# Altium PCB WX0.008.626PCB-4.1(5).PcbDoc (part 3 of 3)
Units mil, origin at the board's own origin, x right, y up, seen from the top; angles counter-clockwise.
Board outline 7874.02 x 2755.91 mil, 4 copper layers (Top Layer, GND, POWER, Bottom Layer), stack 30.634 mil thick; 262 components, 166 nets, 818 pads, 835 vias.
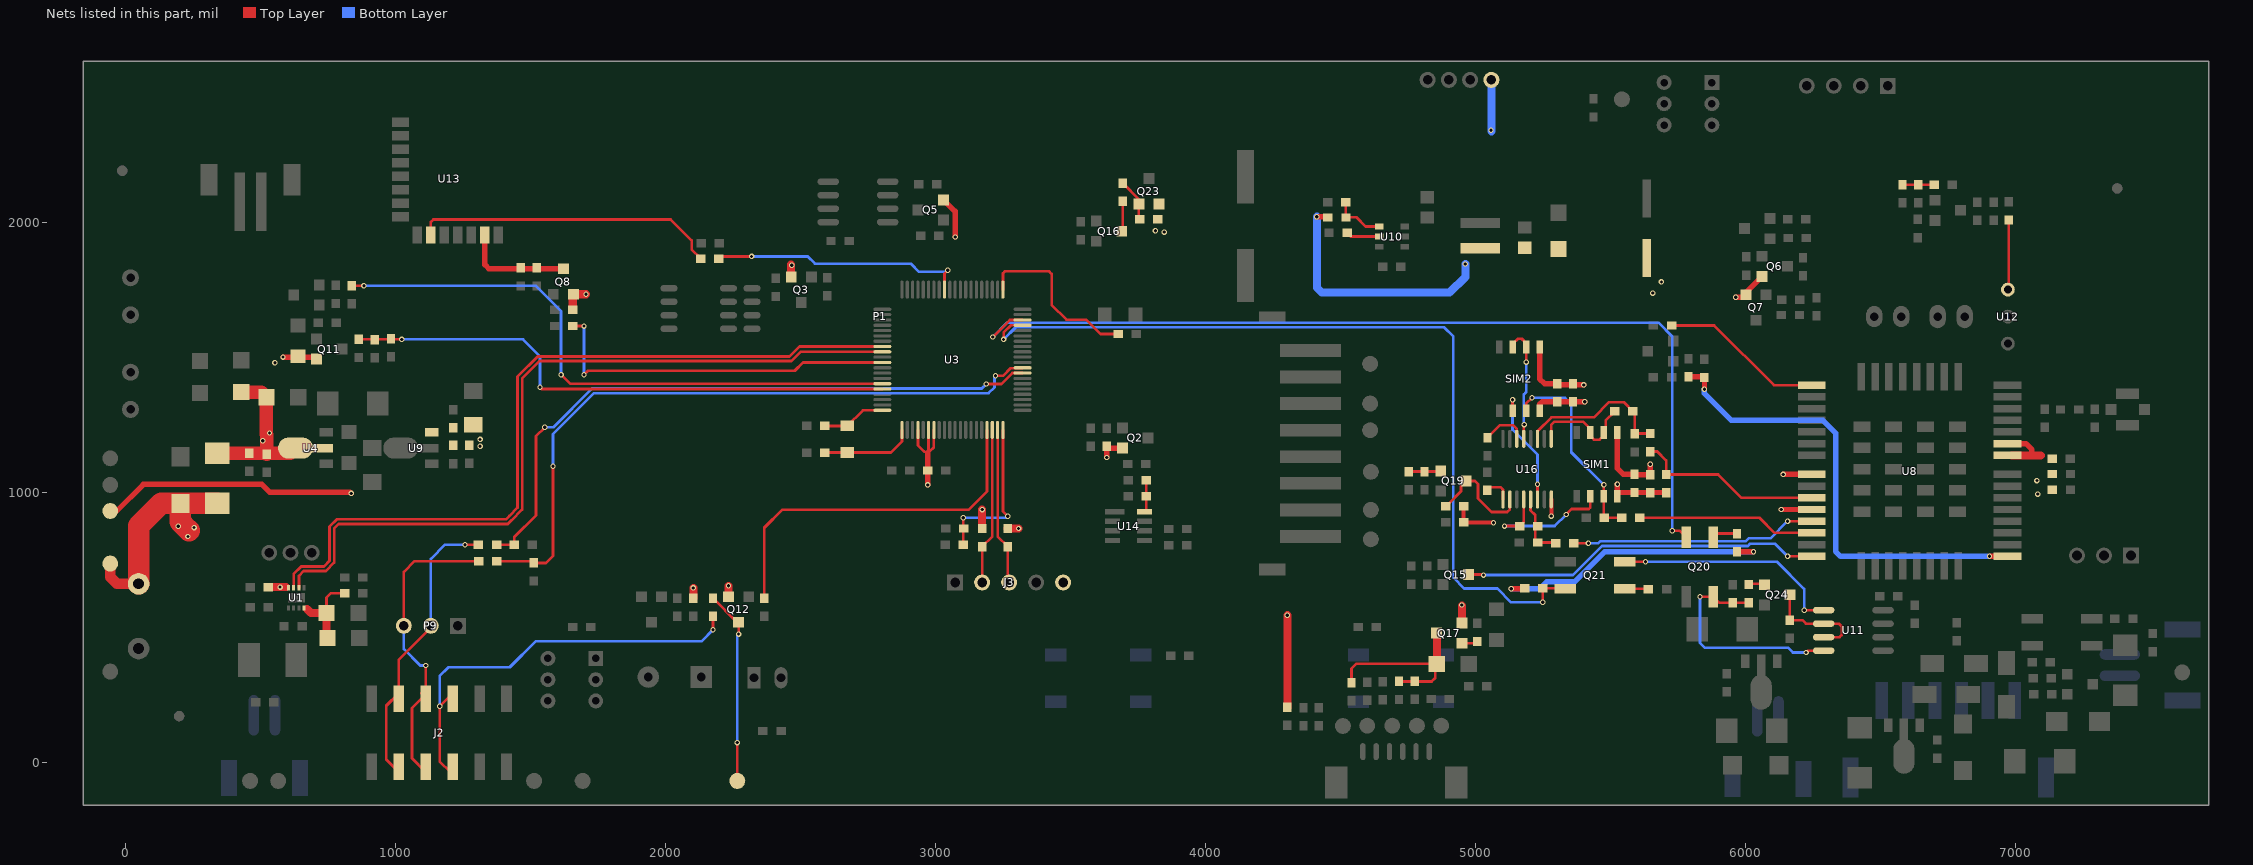
[diagram p5: the nets of this part, all layers, seen from the top]

## Via types
v1: diameter 20, hole 12, Top Layer to Bottom Layer, tented both sides, 835 vias

## Nets (pads, with @x,y where several pads share a name; then routed paths per layer and width w, separated by ;. In a path a pad name is that pad's centre, name@x,y a point inside that pad or via, vN(x,y) a via of type N, cw(c..) or ccw(c..) an arc to the next point about the centre after c; other vN are vias at no path point) (continued)
NetQ16_3: Q16.3 R86.1 | length 112.2
  Top Layer w10: Q16.3@3689.76,1968.92 3693.52,1972.68 R86.1@3693.52,2079.52
NetQ17_1: Q17.1 R44.2 | length 50.4
  Top Layer w10: Q17.1@4950.24,442.6 R44.2@5000.6,442.6
NetQ17_3: Q17.3 R51.2 R53.1 R54.1 R75.1 | length 675.2
  Top Layer w10: R54.1@4541,296 4541,349 4558,366 R51.2@4856.89,366 ; R53.1@4717,301 4837.62,301 4851,314.38 R51.2@4851,360.11 ; Q17.3@4855.76,478.87 Q17.3@4855.76,480
  Top Layer w30: R51.2@4856.89,366 Q17.3@4856.89,478.87
NetQ19_1: Q19.1 R95.2 R96.1 | length 116.4
  Top Layer w10: R95.2@4752.52,1078.52 Q19.1@4868.87,1078.52
NetQ19_3: Q19.3 R93.1 U16.10 | length 401.6
  Top Layer w10: R93.1@4901.52,950.52 4901.52,960.52 4946.52,1005.52 4946.52,1024.27 Q19.3@4965.76,1043.52 4998.52,1043.52 5009.52,1032.52 5009.52,978.52 5059.52,928.52 5117.52,928.52 5127.54,938.54 U16.10@5127.54,975.31
NetQ20_1: Q20.1 R112.2 | length 75
  Top Layer w10: Q20.1@5880.08,849 R112.2@5955.08,849
NetQ20_4: Q20.4 R65.2 R113.2 U11.4 | length 836.5
  Top Layer w10: v1(5832,615) Q20.4@5881,615 5903,593 R65.2@6012,593 ; v1(6225,408) 6232,415 U11.4@6290,415
  Bottom Layer w10: v1(5832,615) 5832,443 5849,426 6158,426 6176,408 v1(6225,408)
NetQ21_1: Q21.1 R77.1 | length 87
  Top Layer w10: Q21.1@5553,644 R77.1@5640,644
NetQ21_2: Q21.2 U11.1 | length 852.4
  Top Layer w10: Q21.2@5553,744 v1(5630,744) ; v1@6223,565 U11.1@6290,565
  Bottom Layer w10: v1(5630,744) 6118,744 6218,644 v1(6218,565)
NetQ23_1: Q23.1 R85.2 R86.2 | length 154.3
  Top Layer w10: R86.2@3693.52,2146.52 3753.12,2086.92 Q23.1@3753.12,2069.28 R85.2@3753.12,2016.92
NetQ24_1: Q24.1 R65.1 | length 54.4
  Top Layer w10: R65.1@6014.4,662.4 Q24.1@6068.76,662.4
NetQ24_3: Q24.3 R63.2 U11.2 U11.3 | length 397
  Top Layer w10: Q24.3@6164,620.76 R63.2@6164,528 6211,528 6224,515 U11.2@6290,515 6346,515 6357,504 6357,473 6349,465 U11.3@6290,465
NetR1_1: R1.1 R32.1 U14.8 | length 119.7
  Top Layer w10: U14.8@3773.91,929.67 3780.76,936.52 R32.1@3780.76,986.52 R1.1@3780.76,1046.52
NetR8_2: R8.2 U16.9 | length 103.1
  Top Layer w10: R8.2@5043.52,1008.52 5055.52,1020.52 5092.52,1020.52 5101.95,1011.09 U16.9@5101.95,975.31
NetR9_1: R9.1 U12.1 | length 255
  Top Layer w10: U12.1@6975.52,1755.52 R9.1@6975.52,2010.52
NetR28_2: R28.2 U3.21 | length 654.9
  Top Layer w10: U3.21@3249.53,1752.36 3249.53,1813.05 3256.96,1820.48 3420.52,1820.48 3430,1811 3430,1695.96 3484.96,1641 3558,1641 3611,1588 R28.2@3677,1588
NetR33_1: R33.1 U3.32 | length 954.8
  Top Layer w10: R33.1@2197.52,1867.52 2205.52,1875.52 v1(2318.52,1875.52) ; U3.32@3032.99,1752.36 3032.99,1811.99 v1(3045.52,1824.52)
  Bottom Layer w10: v1(2318.52,1875.52) 2526.52,1875.52 2553.52,1848.52 2908.01,1848.52 2938.01,1818.52 3039.52,1818.52 v1(3045.52,1824.52)
NetR56_2: R56.2 R57.1 R60.2 | length 118
  Top Layer w10: R56.2@6582,2141 R57.1@6641,2141 R60.2@6700,2141
NetR80_2: R80.2 R81.2 R82.2 U1.4 | length 299.9
  Top Layer w10: R81.2@743.89,554 743.89,611.89 760,628 R82.2@811,628
  Top Layer w30: 670.89,568.98 685.87,554 R81.2@743.89,554 R80.2@743.89,465
NetR91_1: R91.1 U8.1 | length 627.5
  Top Layer w10: R91.1@5726.52,1619.52 5884.56,1619.52 6105.56,1398.52 U8.1@6246.52,1398.52 U8.1@6262.52,1398.52
NetR94_1: R94.1 U16.6 | length 170.5
  Top Layer w10: R94.1@5044.52,1204.52 5090.52,1250.52 5139.52,1250.52 5153.13,1236.9 U16.6@5153.13,1199.72
NetR102_2: R102.2 U10.5 | length 124.3
  Top Layer w10: R102.2@4524.52,1962.52 4537.92,1949.12 U10.5@4643.27,1949.12
NetR114_2: R114.2 R115.2 U10.4 | length 192.8
  Top Layer w10: R115.2@4519.52,2075.52 4519.52,2020.52 4559.52,2020.52 4593.52,1986.52 U10.4@4643.27,1986.52
OPEN: U1.6 U3.49 | length 2908.4
  Top Layer w10: U1.6@641.36,647.92 641.36,692.36 659,710 741.04,710 772,740.96 772,867.96 788.56,884.52 1414.99,884.52 1427.99,897.52 1428.48,897.52 1468.52,937.56 1468.52,1423.44 1533.13,1488.05 2466.21,1488.05 2500.21,1522.05 U3.49@2802.68,1522.05
RESET: Q15.3 U8.15 | length 1337.4
  Top Layer w10: Q15.3@4974.26,697.12 v1@5027.88,697.12 ; v1(6156.34,764.66) U8.15@6246.52,764.66
  Bottom Layer w10: v1(5030,695) 5361,695 5469,803 6009.57,803 6017.57,811 6110,811 v1(6156.34,764.66)
RS485_RXD: Q21.4 R64.1 U3.17 | length 3202
  Top Layer w10: v1(3252,1568) 3252,1592.96 3279.51,1620.47 U3.17@3322.36,1620.47 ; v1(5249,594) R64.1@5249,646 Q21.4@5331,646
  Bottom Layer w10: v1(3252,1568) 3297,1613 4884,1613 4918,1579 4918,685.25 4958.25,645 5081,645 5132,594 v1(5249,594)
RS485_TXD: Q20.2 U3.18 | length 3478
  Top Layer w10: v1(3212,1577) 3275.16,1640.16 U3.18@3322.36,1640.16 ; v1(5729.52,859) 5757,859 Q20.2@5781,835
  Bottom Layer w10: v1(3212,1577) 3212.48,1577 3265.48,1630 5677.52,1630 5729.52,1578 v1(5729.52,859)
RST: C33.2 R49.1 U3.80 | length 594.7
  Top Layer w10: R49.1@3102.52,807.52 v1(3102.52,907.52) ; U3.80@3249.53,1232.68 3249.53,930.51 v1(3267.52,912.52)
  Bottom Layer w10: v1(3102.52,907.52) 3262.52,907.52 v1(3267.52,912.52)
SIM_CLK1: R11.1 SIM1.6 U16.12 | length 550.6
  Top Layer w10: v1(5107.52,876.52) R11.1@5163.52,876.52 5178.52,891.52 5178.52,975.11 U16.12@5178.72,975.31 ; v1@5335.52,919.52 5355.52,939.52 5419.52,939.52 5425.81,945.81 SIM1.6@5425.81,987.34
  Bottom Layer w10: v1(5107.52,876.52) 5293.52,876.52 v1(5336.52,919.52)
SIM_CLK2: SIM2.6 U16.14 | length 448.6
  Top Layer w10: v1(5137.52,1344.52) 5137.52,1303.94 SIM2.6@5137.94,1303.52 ; U16.14@5229.91,975.31 v1(5229.91,1031.13)
  Bottom Layer w10: v1(5137.52,1344.52) 5137.52,1233.48 5229.91,1141.1 v1(5229.91,1031.13)
SIM_DATA1: R10.2 SIM1.2 SIM1.3 U16.1 | length 395.5
  Top Layer w10: U16.1@5281.09,1199.72 5281.09,1252.09 5291.52,1262.52 5399.52,1262.52 5425.81,1236.23 SIM1.3@5425.81,1223.56 ; SIM1.3@5424.02,1212.02 5439.52,1196.52 5459.52,1196.52 5475.81,1212.81 SIM1.2@5475.81,1223.56 5482.52,1230.28 5482.52,1267.52 R10.2@5516.52,1301.52
SIM_DATA2: SIM2.2 SIM2.3 U16.5 | length 433.7
  Top Layer w10: SIM2.3@5137.94,1539.74 5137.94,1550.94 5157.52,1570.52 5171.52,1570.52 5187.94,1554.09 SIM2.2@5187.94,1539.74 v1(5187.94,1484.09) ; U16.5@5178.72,1199.72 5178.72,1250.72 v1(5180.52,1252.52)
  Bottom Layer w10: v1@5179.52,1253.52 5179.52,1363.95 5187.94,1372.37 v1(5187.94,1484.09)
SIM_RST: C58.1 R6.2 SIM1.7 SIM2.7 | length 733.6
  Top Layer w10: SIM2.7@5187.94,1303.52 5187.94,1329.94 v1(5209.52,1351.52) ; C58.1@5475.81,921.72 SIM1.7@5475.81,987.34 v1(5475.81,1029.23) ; C58.1@5477.01,907.52 R6.2@5541.52,907.52
  Bottom Layer w10: v1(5209.52,1351.52) 5332.48,1351.52 5355,1329 5355,1150.04 v1(5475.81,1029.23)
SLEEP: U1.7 U3.48 | length 2940
  Top Layer w10: U1.7@621.68,647.92 621.68,698.69 650,727 734,727 755,748 755,875 781.52,901.52 1407.95,901.52 1420.95,914.52 1421.44,914.52 1451.52,944.6 1451.52,1430.48 1526.09,1505.05 2459.17,1505.05 2495.86,1541.73 U3.48@2802.68,1541.73
STATE_BLE: R33.2 U13.10 | length 1131.2
  Top Layer w10: U13.10@1130.12,1955.59 1130.12,2003.12 1139.52,2012.52 2018.52,2012.52 2096.52,1934.52 2096.52,1901.52 R33.2@2130.52,1867.52
SWCLK: J3.2 R39.2 U3.78 | length 580.7
  Top Layer w10: J3.2@3172.52,667.52 R39.2@3172.52,800.52 3210.16,838.16 U3.78@3210.16,1232.68
SWIO: J3.3 R40.2 U3.79 | length 575.8
  Top Layer w10: U3.79@3229.84,1232.68 3229.84,838.2 R40.2@3267.52,800.52 J3.3@3267.52,672.52
TEST_RXD0: J2.3 J2.4 P9.2 R103.1 | length 1068.3
  Top Layer w10: J2.4@1011.02,-34.57 965,11.46 965,210.79 1011.02,256.81 1011.02,381.02 P9.2@1130,500 ; v1(1256.52,807.52) R103.1@1306.52,807.52
  Bottom Layer w10: P9.2@1130,507 1130,755 1182.52,807.52 v1(1256.52,807.52)
TEST_TXD0: J2.5 J2.6 P9.3 R101.1 | length 1128.9
  Top Layer w10: P9.3@1030,507 1030,707 1069.52,746.52 R101.1@1307.52,746.52 ; J2.5@1094.81,256.81 1111.02,256.81 v1(1111.02,360.02) ; J2.6@1111.02,-34.57 1060,16.46 1060,202 1095.13,237.13 J2.5@1111.02,237.13
  Bottom Layer w10: P9.3@1030,507 1030,421 1090.98,360.02 v1(1111.02,360.02)
UMU_RXD0: C64.1 R103.2 U3.8 | length 2400.5
  Top Layer w10: R103.2@1373.52,807.52 C64.1@1439.03,807.52 1439.03,835.95 1519.52,916.44 1519.52,1209.52 v1(1552.52,1242.52) ; v1(3188,1403) 3244,1403 3284.31,1443.31 U3.8@3322.36,1443.31
  Bottom Layer w10: v1(1552.52,1242.52) 1583.52,1242.52 1727,1386 3171,1386 v1(3188,1403)
UMU_TXD0: C66.1 R101.2 U3.9 | length 2527.8
  Top Layer w10: R101.2@1374.52,746.52 C66.1@1505.01,746.52 ; C66.1@1511.52,740.01 1557.03,740.01 1582.52,765.5 v1(1582.52,1098.52) ; v1(3222,1433) 3249.96,1433 3278.17,1461.21 3320.58,1461.21 U3.9@3322.36,1462.99
  Bottom Layer w10: v1(1582.52,1098.52) 1582.52,1217.09 1734.43,1369 3196.43,1369 3218,1390.57 3218,1429 v1(3222,1433)
USIM_CLK: R5.1 U8.12 | length 921.1
  Top Layer w10: R5.1@5364.52,812.52 v1(5418.52,812.52) ; v1@6151.46,894.58 v1(6156.52,894.58) U8.12@6246.52,894.58
  Bottom Layer w10: v1(5418.52,812.52) 5454.48,812.52 5461.96,820 6001,820 6012,831 6092.94,831 v1(6156.52,894.58)
USIM_DATA: R4.1 R52.1 U8.10 | length 700.4
  Top Layer w10: R4.1@5647.52,1152.52 5673.52,1152.52 5706.52,1119.52 R52.1@5706.52,1067.52 5899.16,1067.52 5985.49,981.2 U8.10@6246.52,981.2
USIM_GND: C4.2 C5.2 C56.2 C62.2 SIM1.1 SIM2.1 U8.8 | length 716
  Top Layer w20: SIM2.1@5237.94,1539.74 5237.94,1422.09 5256.01,1404.03 C5.2@5302.52,1404.03 5307.03,1399.52 v1(5401.52,1399.52) ; SIM1.1@5525.81,1223.56 5525.81,1090.23 5548.18,1067.85 C62.2@5589.38,1067.85 5590.21,1067.03 C56.2@5647.52,1067.03 v1(5647.52,1105.52) ; v1(6140.23,1067.81) U8.8@6246.52,1067.81 U8.8@6262.52,1067.81
USIM_RST: R6.1 U8.13 | length 661.3
  Top Layer w10: R6.1@5608.52,907.52 6051.48,907.52 6107.72,851.28 U8.13@6246.52,851.28
USIM_VDD: C4.1 C5.1 C56.1 C62.1 R52.2 SIM1.8 SIM2.8 U8.11 | length 550.4
  Top Layer w20: SIM2.8@5237.94,1303.52 5237.94,1327.94 5247.03,1337.03 C5.1@5302.52,1337.03 C4.1@5361.52,1337.03 v1@5405.03,1337.03 ; SIM1.8@5525.81,987.34 SIM1.8@5525.81,997.81 ; v1(5525.81,1031.23) SIM1.8@5525.81,997.81 ; R52.2@5706.18,1000.85 C62.1@5589.38,1000.85 5528.85,1000.85 SIM1.8@5525.81,997.81 ; v1(6132.89,937.89) U8.11@6246.52,937.89 U8.11@6262.52,937.89
  other v1: 5405.31,1337.31
USIM_XCLK: C57.1 R5.2 R11.2 U16.13 | length 222.9
  Top Layer w10: U16.13@5204.31,975.31 5204.31,934.72 5221.52,917.52 C57.1@5221.52,824.01 ; C57.1@5230.01,815.52 R5.2@5294.52,815.52
USIM_YDATA: C59.1 R4.2 R10.1 U16.3 | length 572.7
  Top Layer w10: U16.3@5229.91,1199.72 5229.91,1227.91 5281.52,1279.52 5439.52,1279.52 5495.52,1335.52 5549.52,1335.52 R10.1@5583.52,1301.52 ; C59.1@5590.38,1218.01 R10.1@5590.38,1294.66 ; C59.1@5591.89,1219.52 R4.2@5647.52,1219.52
VCC: C11.1 C30.2 C49.2 C50.1 C52.1 C55.2 J3.5 P1.1 Q2.2 Q3.2 Q5.2 Q6.2 Q7.2 Q8.2 Q12.2 Q17.2 R14.1 R19.2 R35.1 R39.1 R40.1 R55.2 R64.2 R112.1 U1.8 U3.64 U3.66 U3.67 U9.3 VCC.1 | length 3766.5
  Top Layer w10: U3.64@2934.57,1232.68 2934.57,1175.47 2957.52,1152.52 ; U3.66@2973.94,1232.68 2973.94,1156.1 2977.52,1152.52 2993.62,1168.62 U3.67@2993.62,1232.68
  Top Layer w20: VCC.1@-57.48,932.52 -33.48,932.52 65.1,1031.1 503.94,1031.1 532.52,1002.52 830.52,1002.52 v1(835.52,997.52) ; v1(2971.01,1029.03) C30.2@2971.01,1082.52 2971.01,1149.03 ; Q5.2@3029.76,2084.92 3072.52,2042.17 v1(3072.52,1947.52) ; v1(3634.52,1130.52) 3634.52,1159.52 3640.52,1165.52 Q2.2@3692.28,1165.52 ; v1(5133,644) R64.2@5180,644 ; v1(5964.52,1724.52) 5993.12,1724.52 Q7.2@6002.12,1733.52 6002.12,1742.36 Q6.2@6061.28,1801.52 ; R112.1@5969,781 v1(6030,781)
  Top Layer w30: C11.1@527.01,650.24 594.17,650.24 ; R35.1@1655.88,1677.52 1655.88,1732.47 Q8.2@1658.69,1735.28 v1(1704.76,1735.28) ; R19.2@2102.52,609.76 v1(2102.52,647.52) ; Q12.2@2232.87,614.76 v1(2232.87,655.12) ; Q3.2@2465.12,1799.76 v1@2465.12,1844.92 ; R39.1@3172.52,867.52 v1(3172.52,937.52) ; R40.1@3267.52,867.52 v1(3307.52,867.52) ; R55.2@4303,205 v1(4303,546) ; Q17.2@4950.24,517.4 v1@4950.24,581.24
  Bottom Layer w20: v1(5133,644) 5238,644 5264,670 5367.11,670 5478.11,781 v1(6030,781)
  Bottom Layer w30: v1@5059.06,2339.06 P1.1@5059.06,2529.53
  other v1: 4949,584 571.52,650.52 1312.52,1172.52 1312.52,1197.52 2467.52,1842.52 5057.52,2342.52
VDD: C3.2 C34.1 C40.1 C42.1 C43.2 C44.1 C45.1 L1.2 R93.2 R114.1 U8.24 U8.25 U16.16 | length 1398.3
  Top Layer w15: R93.2@4956.52,950.52 4956.52,891.03 C3.2@4957.03,890.52 4958.55,889 v1(5067,889) ; v1(5281.09,913.52) U16.16@5281.09,975.31
  Top Layer w20: v1(4412.52,2022.52) R114.1@4457.52,2022.52 ; U8.25@6970.93,1181.98 7039.06,1181.98 7061.52,1159.52 7061.52,1138.68
  Top Layer w30: U8.24@6986.93,1138.68 7061.52,1138.68 7094.36,1138.68
  Bottom Layer w30: v1(4412.52,2022.52) 4412.52,1759.52 4430.52,1741.52 4904.52,1741.52 4962.52,1799.52 v1(4962.52,1847.52)
  other v1: 7083,995 7080,1045 5656.52,1739.52 5689,1781
VDD_BLE: C63.1 C65.1 Q8.3 U13.14 | length 408.1
  Top Layer w20: U13.14@1330.12,1955.59 1330.12,1844.92 1345.28,1829.76 Q8.3@1621.29,1829.76
VDD_BLE_CTL: R31.1 U3.51 | length 1345.5
  Top Layer w10: R31.1@1655.88,1617.52 v1(1697.52,1617.52) ; v1(1697.52,1437.52) 1712,1452 2478.25,1452 2508.93,1482.68 U3.51@2802.68,1482.68
  Bottom Layer w10: v1(1697.52,1437.52) v1(1697.52,1617.52)
VDD_EXT: C8.1 R7.2 U8.16 | length 1763.6
  Top Layer w20: R7.2@5789.52,1429.52 5845.03,1429.52 C8.1@5847.52,1427.03 5848.52,1426.03 v1@5848.52,1383.52 ; v1(6904.52,764.52) 6904.66,764.66 U8.16@6970.93,764.66 U8.16@6986.93,764.66
  Bottom Layer w20: v1(5848.31,1383.31) 5848.31,1368.31 5948.31,1268.31 6287.72,1268.31 6334.52,1221.52 6334.52,783 6353,764.52 v1(6904.52,764.52)
VIN: D10.2 D14.1 P2.1 Q11.2 TVS1.2 VIN.1 | length 987.3
  Top Layer w20: v1(582.52,1502.52) Q11.2@689.12,1502.52 ; Q11.2@699.12,1502.52 Q11.2@706.52,1495.12
  Top Layer w40: VIN.1@-57.48,737.52 -57.48,687.52 -32.48,662.52 P2.1@47.52,662.52
  Top Layer w80: P2.1@47.52,662.52 47.52,877.52 131.1,961.1 252.52,961.1 252.52,961.2 ; 234,860 202,892 TVS1.2@202,960.68 D14.1@338.18,960.68
  other v1: 230,838 253,871 194,876 552.52,1481.52
VIN_ADC: C36.2 R67.2 R73.1 U3.56 | length 2083.7
  Top Layer w10: R67.2@862.52,1568.12 v1(1021.92,1568.12) ; v1(1534.52,1390.52) 1540.79,1384.25 U3.56@2802.68,1384.25
  Bottom Layer w10: v1(1021.92,1568.12) 1471.92,1568.12 1534.52,1505.52 v1(1534.52,1390.52)
VIN_CHECK_EN: R74.1 U3.55 | length 2253.3
  Top Layer w10: R74.1@837.52,1767.12 v1(882.12,1767.12) ; v1(1612.52,1437.52) 1646.1,1403.94 U3.55@2802.68,1403.94
  Bottom Layer w10: v1(882.12,1767.12) 1517.92,1767.12 1612.52,1672.52 v1(1612.52,1437.52)
VIN_NB: C23.1 C102.1 D14.2 Q23.2 R42.1 R85.1 R105.1 U4.2 | length 608.2
  Top Layer w50: D14.2@339,1146.5 C23.1@519.03,1146.5 ; R105.1@428,1373 502,1373 R42.1@521,1354 521,1216.04 ; C23.1@519.03,1146.1 C23.1@522.52,1146.1 ; C23.1@522.52,1143.01 C23.1@522.52,1146.1 ; 522.52,1214.52 C23.1@522.52,1146.1 ; U4.2@628.78,1165.61 609.27,1146.1 C23.1@522.52,1146.1
  other v1: 507.52,1192.52 532.52,1221.52 3847.52,1965.52 3814.52,1970.52
WAKE: Q12.3 R104.2 WAKE.1 | length 715.1
  Top Layer w10: R104.2@2175.28,609.76 2264.76,520.28 Q12.3@2270.28,520.28 v1(2270.28,476.28) ; WAKE.1@2265.52,-67.48 v1(2265.52,74.52)
  Bottom Layer w10: v1(2265.52,74.52) v1@2265.52,471.52
WAKE_1: J2.7 J2.8 R104.1 | length 1581.6
  Top Layer w10: J2.8@1211.02,-34.57 1202.57,-34.57 1163,5 v1(1163,208.79) J2.7@1211.02,256.81 ; v1(2175.28,492.52) R104.1@2175.28,542.76
  Bottom Layer w10: v1(1163,208.79) 1163,320.52 1196,353.52 1422.52,353.52 1518.52,449.52 2132.28,449.52 v1(2175.28,492.52)
WAKE_UP: R3.1 U3.77 | length 1370.4
  Top Layer w10: R3.1@2365.28,608.76 2365.28,870.28 2432.52,937.52 3123.43,937.52 3190.47,1004.57 U3.77@3190.47,1232.68
XT1: C22.2 U3.61 Y1.2 | length 346.5
  Top Layer w10: C22.2@2589.03,1147.52 2590.6,1149.09 Y1.2@2672.52,1149.09 2834.09,1149.09 2875.51,1190.51 U3.61@2875.51,1232.68
XT2: C20.2 U3.60 Y1.1 | length 237.7
  Top Layer w10: C20.2@2589.03,1247.52 Y1.1@2672.52,1247.52 2730.51,1305.51 U3.60@2802.68,1305.51
pads on no net: J2.1 J2.2 J7.9 J7.10 J11.1 MARK1.0 MARK1.1 MARK2.0 MARK2.1 MARK3.0 MARK3.1 P1.8 S1.3 S1.4 S1.5 S1.6 S2.1 S2.2 S2.3 S2.4 SIM1.4 SIM1.5 SIM2.4 SIM2.5 U3.10 U3.11 U3.12 U3.19 U3.20 U3.30 U3.31 U3.36 U3.37 U3.43 U3.52 U3.58 U3.59 U3.69 U3.76 U5.2 U5.4 U5.5 U8.3 U8.4 U8.5 U8.6 U8.7 U8.9 U8.14 U8.17 U8.20 U8.21 U8.22 U8.23 U8.31 U8.32 U8.33 U8.34 U8.35 U8.36 U8.37 U8.38 U8.39 U8.40 U8.41 U8.44 U8.47 U8.51 U8.52 U8.53 U8.55 U8.57 U8.59 U8.60 U8.61 U8.63 U8.65 U13.2 U13.3 U13.4 U13.5 U13.6 U13.7 U13.11 U13.12 U13.13 U14.4 U14.7 U16.2 U16.4 U16.11 U16.15

## Polygon pours and split planes (outlines as drawn)
GND on Bottom Layer "Mid-Layer 2-No Net" (solid, remove dead copper, pour order 15): -182.48,2617.52 7742.52,2617.52 7742.52,-182.48 -182.48,-182.48 -182.48,2617.52
NB_VIN1 on Top Layer "Mid-Layer 2-No Net" (solid, remove dead copper, pour order 10): 4137.52,1592.52 4528.77,1592.52 4552.52,1568.78 4552.52,1422.52 4532.52,1402.52 4177.52,1402.52 4122.52,1457.52 4122.52,1577.52
GND on Top Layer "Mid-Layer 2-No Net" (solid, remove dead copper, pour order 12): -182.48,2617.52 7742.52,2617.52 7742.52,-182.48 -182.48,-182.48 -182.48,2617.52
USIM_GND on GND (split plane): 5462.91,1387.82 5462.91,1201 5463.26,1198.39 5464.27,1195.96 5465.87,1193.87 5524.87,1134.87 5526.96,1133.27 5529.39,1132.26 5532,1131.91 6144.82,1131.91 6178.91,1097.82 6178.91,1049.18 6151.82,1022.09 5394.18,1022.09 5360.09,1056.18 5360.09,1403.82 5376.18,1419.91 5430.82,1419.91
485_GND on GND (split plane): 5924.87,653.87 5926.96,652.27 5928.68,651.55 5929.39,651.26 5932,650.91 6740.82,650.91 6786.91,604.82 6786.91,121.18 6758.82,93.09 6495.18,93.09 6408.09,180.18 6408.09,407 6407.74,409.61 6406.73,412.04 6405.13,414.13 6345.13,474.13 6343.04,475.74 6340.61,476.74 6338,477.09 5251.18,477.09 5176.09,552.18 5176.09,758.82 5195.18,777.91 5800.82,777.91
GND on GND (split plane): 7696.44,-137.38 -137.38,-137.38 -137.38,2578.33 618.52,2578.33 618.52,2392.52 1732.52,2392.52 1732.52,2578.33 7696.44,2578.33
VDD on POWER (split plane): 5716.43,1773.34 5716.43,1708.7 5654.34,1646.61 5155.52,1646.61 5152.91,1646.26 5150.48,1645.25 5148.39,1643.65 5141.39,1636.65 5139.78,1634.56 5138.78,1632.13 5138.43,1629.52 5138.43,969 5138.78,966.39 5139.78,963.96 5141.39,961.87 5143.45,960.28 5170.87,932.87 5172.96,931.27 5175.39,930.26 5178,929.91 5474.82,929.91 5526.87,877.87 5528.96,876.27 5530.68,875.55 5531.39,875.26 5534,874.91 6997,874.91 6999.61,875.26 7002.04,876.27 7004.13,877.87 7029.51,903.24 7029.56,903.27 7031.65,904.87 7033.25,906.96 7034.26,909.39 7034.61,912 7034.61,1031.34 7070.7,1067.43 7155.43,1067.43 7155.43,856.97 7116.55,818.09 5092.18,818.09 5029.09,881.18 5029.09,1750.82 5092.7,1814.43 5675.34,1814.43
USIM_VDD on POWER (split plane): 5493.87,1337.87 5556.3,1275.44 5556.3,1202.23 5555.78,1201.56 5554.78,1199.13 5554.43,1196.52 5554.78,1193.91 5555.78,1191.48 5557.39,1189.39 5607.43,1139.34 5607.43,1019.52 5607.78,1016.91 5608.78,1014.48 5610.39,1012.39 5645.91,976.87 5648,975.27 5650.43,974.26 5653.04,973.91 6125.86,973.91 6167.43,932.34 6167.43,909.7 6152.82,895.09 5538.18,895.09 5489.09,944.18 5489.09,1126 5488.74,1128.61 5488.03,1130.33 5487.73,1131.04 5486.13,1133.13 5329.09,1290.18 5329.09,1292 5329.09,1357.34 5353.66,1381.91 5449.82,1381.91
NB_VIN1 on POWER (split plane): 4703.39,2260.39 4714.87,2248.91 4785.43,2178.34 4785.43,1988.7 4715.39,1918.65 4684.34,1887.61 4377.52,1887.61 4374.91,1887.26 4372.48,1886.25 4370.39,1884.65 4318.39,1832.65 4316.78,1830.56 4315.78,1828.13 4315.43,1825.52 4315.43,1502.7 4285.34,1472.61 4175.7,1472.61 4113.61,1534.7 4113.61,2031.52 4113.26,2034.13 4112.97,2034.84 4112.25,2036.56 4110.65,2038.65 4071.65,2077.65 4069.56,2079.25 4067.13,2080.26 4064.52,2080.61 3756.7,2080.61 3725.61,2111.7 3725.61,2234.34 3749.69,2258.42 3750.56,2258.78 3752.65,2260.39 3781.18,2288.91 4674.86,2288.91
485_5V on POWER (split plane): 6110.87,614.87 6112.96,613.27 6115.39,612.26 6118,611.91 6852.82,611.91 6858.91,605.82 6858.91,546.18 6810.82,498.09 6376,498.09 6373.39,497.74 6371.67,497.03 6370.96,496.74 6368.87,495.13 6327.87,454.13 6326.27,452.04 6325.26,449.61 6324.91,447 6324.91,187.7 6304.82,167.61 6224.18,167.61 6153.09,238.7 6153.09,507 6152.74,509.61 6151.73,512.04 6150.13,514.13 6116.13,548.13 6114.04,549.74 6111.61,550.74 6109,551.09 5663.18,551.09 5640.09,574.18 5640.09,722.82 5647.18,729.91 5995.82,729.91
VCC on POWER (split plane): 5996.87,1982.87 6035.91,1943.82 6035.91,1693.18 6022.82,1680.09 5948.22,1680.09 5684.65,1943.65 5682.56,1945.25 5680.13,1946.26 5677.52,1946.61 5064.52,1946.61 5061.91,1946.26 5059.48,1945.25 5057.39,1943.65 4956.39,1842.65 4954.78,1840.56 4954.42,1839.67 4954.39,1839.65 4952.78,1837.56 4951.78,1835.13 4951.43,1832.52 4951.43,840.52 4951.78,837.91 4952.78,835.48 4954.39,833.39 5112.91,674.87 5115,673.27 5115.71,672.97 5117.43,672.26 5120.04,671.91 5207.82,671.91 5252.91,626.82 5252.91,551.18 5214.34,512.61 555.7,512.61 524.61,543.7 524.61,772.34 927.65,1175.39 1147.7,1395.43 1262.52,1395.43 1265.13,1395.78 1267.56,1396.78 1269.65,1398.39 1832.7,1961.43 3114.34,1961.43 3147.43,1928.34 3147.43,1631.48 3147.78,1628.87 3148.78,1626.44 3150.39,1624.35 3409.35,1365.39 3411.44,1363.78 3413.87,1362.78 3416.48,1362.43 4723.52,1362.43 4726.13,1362.78 4728.56,1363.78 4730.65,1365.39 4905.13,1539.87 4906.73,1541.96 4907.03,1542.67 4907.74,1544.39 4908.09,1547 4908.09,1895.04 4908.09,2305.82 4993.75,2391.49 5588.25,2391.49
VIN_NB on POWER (split plane): 3380.43,2151.34 3380.43,2070.45 3379.39,2069.65 3377.78,2067.56 3376.78,2065.13 3376.43,2062.52 3376.78,2059.91 3377.78,2057.48 3379.39,2055.39 3381.48,2053.78 3383.91,2052.78 3386.31,2052.46 3439.39,1999.39 3441.48,1997.78 3443.91,1996.78 3446.52,1996.43 3489.52,1996.43 3492.13,1996.78 3494.56,1997.78 3496.65,1999.39 3506.7,2009.43 3850.34,2009.43 3878.43,1981.34 3878.43,1924.7 3842.34,1888.61 3215.7,1888.61 3164.65,1939.65 3125.65,1978.65 3123.56,1980.25 3121.13,1981.26 3118.52,1981.61 963.52,1981.61 960.91,1981.26 959.9,1980.84 958.48,1980.25 956.39,1978.65 761.39,1783.65 759.78,1781.56 758.78,1779.13 758.43,1776.52 758.43,1307.7 534.34,1083.61 335.87,1083.61 642.65,1390.39 644.25,1392.48 644.84,1393.9 645.26,1394.91 645.61,1397.52 645.61,1537.52 645.61,1892.34 756.65,2003.39 758.25,2005.48 758.62,2006.35 922.7,2170.43 3361.34,2170.43
VIN on POWER (split plane): 3535.43,2263.34 3535.43,2164.52 3535.43,2070.7 3482.39,2017.65 3481.58,2016.61 3450.7,2016.61 3400.61,2066.7 3400.61,2155.52 3400.26,2158.13 3399.25,2160.56 3397.65,2162.65 3372.65,2187.65 3370.56,2189.25 3368.13,2190.26 3365.52,2190.61 918.52,2190.61 915.91,2190.26 913.48,2189.25 911.39,2187.65 742.39,2018.65 740.78,2016.56 740.42,2015.68 628.39,1903.65 626.78,1901.56 625.78,1899.13 625.43,1896.52 625.43,1537.52 625.43,1503.52 625.43,1401.7 317.39,1093.65 315.78,1091.56 314.78,1089.13 314.43,1086.52 314.43,846.7 261.34,793.61 225.7,793.61 175.61,843.7 175.61,1195.34 502.65,1522.39 504.25,1524.48 505.26,1526.91 505.61,1529.52 505.61,1960.34 718.65,2173.39 904.7,2359.43 3439.34,2359.43
GND on POWER (split plane): 7696.44,-137.38 -137.38,-137.38 -137.38,2578.33 618.52,2578.33 618.52,2392.52 1732.52,2392.52 1732.52,2578.33 7696.44,2578.33
5V on POWER (split plane): 1110.25,1386.52 913.39,1189.65 507.39,783.65 505.78,781.56 504.78,779.13 504.43,776.52 504.43,497.52 504.78,494.91 505.78,492.48 507.39,490.39 746.39,251.39 748.48,249.78 749.9,249.19 750.91,248.78 753.52,248.43 2462.34,248.43 2560.39,150.39 2562.48,148.78 2564.91,147.78 2567.52,147.43 5731.52,147.43 5734.13,147.78 5736.56,148.78 5738.65,150.39 5805.65,217.39 5807.25,219.48 5808.26,221.91 5808.61,224.52 5808.61,393.34 5848.18,432.91 5927.34,432.91 5971.43,388.82 5971.43,233.52 5971.78,230.91 5972.78,228.48 5974.39,226.39 6050.39,150.39 6052.48,148.78 6053.9,148.19 6054.91,147.78 6057.52,147.43 6908.52,147.43 6911.13,147.78 6913.56,148.78 6914.41,149.43 7308.34,149.43 7338.43,119.34 7338.43,-41.3 7318.34,-61.39 6853.7,-61.39 6782.65,9.65 6780.56,11.25 6778.13,12.26 6775.52,12.61 524.7,12.61 400.61,136.7 400.61,535.52 400.61,767.34 987.03,1353.76 987.13,1353.78 989.56,1354.78 991.65,1356.39 1035.7,1400.43 1096.34,1400.43

## Keep-outs
Keep-Out Layer:
  circle w10: c4163.39,314.96 r59.06
  circle w10: c7559.06,0 r59.06
  circle w10: c0,2440.95 r59.06
  circle w10: c0,0 r59.06
  circle w10: c7559.06,2440.95 r59.06
  circle w10: c2775.59,314.96 r118.11
  circle w10: c5551.18,314.96 r118.11
  pour cut-out: 618.52,2597.52 618.52,2392.52 1732.52,2392.52 1732.52,2597.52
  lines w10: -157.48,-157.48 7716.54,-157.48 7716.54,2598.43 -157.48,2598.43 -157.48,-157.48

## Other copper
Top Layer:
  rectangle net 5V: 5758.5,369 5914,554
  rectangle net 485_5V: 6145,438 6224,481
  rectangle net 485_5V: 6756,495 6813,573
  rectangle net 485_5V: 5927,637 5982,720
  rectangle net 485_5V: 5683,565 5737,671
  rectangle net 485_5V: 6216,194 6309,277
  rectangle net VIN_NB: 3799.52,1946.52 3860.52,2097.52
  rectangle net 5V: 7133.52,-47.48 7305.52,81.52
  rectangle net VIN: 534.52,1467.52 675.52,1539.52
  rectangle net NetD22_1: 6954.52,-15.48 7040.52,151.52
  rectangle net NB_VIN1: 3757.52,2138.52 3821.52,2228.52
  rectangle net NB_VIN1: 4042.52,2193.52 4200.52,2276.52
  rectangle net NetD6_1: 6001,-121.48 6174.52,162.52
  rectangle net NetC24_1: 4719,1932 4842,1964
  rectangle net NetR80_2: 655,560 672.86,581
  rectangle net 5V: 601,1277 681,1393
  region net 485_5V: 6538,580 6538,634 6543,639 6597,639 6597,569 6597,547 6575,547 6467,547 6467,579 6468,580
  region net NetC97_1: 6758,43 6759,44 6850,44 6850,74 6877,101 6914,101 6914,-4 6850,-68 6758,-68
  region net VDD: 4942.52,1927.52 4942.52,1839.52 4952.52,1829.52 5546.52,1829.52 5560.52,1815.52 5560.52,1721.52 5566.52,1715.52 5694.52,1715.52 5715.52,1736.52 5715.52,1925.52 5703.52,1937.52 4952.52,1937.52
  region net VDD: 7150.52,1169.52 7162.52,1157.52 7162.52,981.52 7156.52,975.52 7042.51,975.52 7035.52,982.51 7035.52,1169.52
  pour cut-out: 4931.52,1974.52 5102.52,1974.52 5102.52,1942.52 4931.52,1942.52
  region net NetC24_1: 4947.52,2087.52 4942.52,2082.52 4942.52,1982.52 4947.52,1977.52 5092.52,1977.52 5097.52,1982.52 5097.52,2082.52 5092.52,2087.52
  region net NetC18_1: 2357.52,1697.52 2467.52,1697.52 2482.52,1682.52 2522.52,1682.52 2527.52,1687.52 2527.52,1727.52 2512.52,1742.52 2442.52,1742.52 2417.52,1767.52 2357.52,1767.52
  region net VCC: 2942.52,1172.52 2992.52,1172.52 2997.52,1167.52 2997.52,1127.52 2992.52,1122.52 2942.52,1122.52 2937.52,1127.52 2937.52,1167.52
  region net VCC: 1317.52,1287.52 1322.52,1282.52 1322.52,1162.52 1317.52,1157.52 1197.52,1157.52 1192.52,1162.52 1192.52,1192.52 1187.52,1197.52 1107.52,1197.52 1097.52,1207.52 1097.52,1262.52 1102.52,1267.52 1232.52,1267.52 1237.52,1272.52 1237.52,1282.52 1242.52,1287.52
  region net NB_VIN1: 4722,1975 4878,1975 4878,2051 4873,2056 4721,2056 4721,1975
Bottom Layer:
  rectangle net NetD22_1: 6957.52,81.52 7042.52,302.52
  rectangle net NetD6_1: 6002,-111 6079,253
  region net NetC97_1: 6765,303 6832,303 6832,109 6840,101 6914,101 6914,12 6915,11 6914,10 6766,10 6766,301 6765,302
  region net NetC24_1: 4717.52,1957.52 4717.52,1928.01 4721.01,1924.52 5089.52,1924.52 5097.52,1932.52 5097.52,2082.52 5092.52,2087.52 4947.52,2087.52 4942.52,2082.52 4942.52,1992.52 4937.52,1987.52 4722.52,1987.52 4717.52,1982.52
GND (plane layer: these items are gaps in the copper):
  pour cut-out: 618.52,2597.52 618.52,2392.52 1732.52,2392.52 1732.52,2597.52
  lines w20: 5166,548 5166,763 5191,788 5805,788 5932,661 6745,661 6797,609 6797,117 6763,83 6491,83 6398,176 6398,407 6338,467 5247,467 5166,548 ; 5350,1052 5350,1408 5372,1430 5435,1430 5473,1392 5473,1201 5532,1142 6149,1142 6189,1102 6189,1045 6156,1012 5390,1012 5350,1052
POWER (plane layer: these items are gaps in the copper):
  pour cut-out: 618.52,2597.52 618.52,2392.52 1732.52,2392.52 1732.52,2597.52
  lines w20: 326.52,1073.52 538.52,1073.52 768.52,1303.52 768.52,1776.52 963.52,1971.52 1828.52,1971.52 ; 514.52,539.52 551.52,502.52 927.52,502.52 1478.52,502.52 4623.52,502.52 5218.52,502.52 5263,547 5263,631 5212,682 5120.04,682 4961.52,840.52 4961.52,1832.52 ; 635.52,1503.52 635.52,1896.52 749.52,2010.52 749.52,2011.52 918.52,2180.52 3096.52,2180.52 3365.52,2180.52 3390.52,2155.52 3390.52,2062.52 ; 635.52,1537.52 635.52,1397.52 324.52,1086.52 324.52,842.52 265.52,783.52 221.52,783.52 165.52,839.52 165.52,1199.52 495.52,1529.52 495.52,1964.52 711.52,2180.52 900.52,2369.52 3443.52,2369.52 3545.52,2267.52 3545.52,2164.52 3545.52,2066.52 3489.52,2010.52 ; 1121.52,1389.52 1100.52,1410.52 1031.52,1410.52 984.52,1363.52 982.52,1363.52 390.52,771.52 390.52,535.52 390.52,132.52 520.52,2.52 1640.52,2.52 6775.52,2.52 6849.52,-71.48 6935.52,-71.48 7322.52,-71.48 7348.52,-45.48 7348.52,123.52 7312.52,159.52 6899.52,159.52 ; 3386.52,2062.52 3390.52,2062.52 ; 4710.52,2267.52 4795.52,2182.52 4795.52,1984.52 4722.52,1911.52 4688.52,1877.52 4377.52,1877.52 4325.52,1825.52 4325.52,1498.52 4289.52,1462.52 4171.52,1462.52 4103.52,1530.52 4103.52,2031.52 4064.52,2070.52 3851.52,2070.52 3752.52,2070.52 3715.52,2107.52 3715.52,2238.52 3744.52,2267.52 3745.52,2267.52 3777,2299 4679.04,2299 4722,2256.04 ; 4963.52,1817.52 4963.52,1835.52 5064.52,1936.52 5677.52,1936.52 5943.04,1671 5944.04,1670 6027,1670 6046,1689 6046,1948 ; 5148.52,969 5148.52,1629.52 5155.52,1636.52 5658.52,1636.52 5726.52,1704.52 5726.52,1777.52 5679.52,1824.52 5088.52,1824.52 5019,1755 5019,877 5088,808 5242,808 7076.04,808 7120.72,808 7164,851.28 ; 5149,969 5178,940 5479,940 ; 5319,1288 5319,1361.52 5349.48,1392 5454,1392 5501,1345 5566.38,1279.62 5566.38,1199 ; 5319,1292 5319,1286 5479,1126 5479,940 ; 5564.52,1196.52 5617.52,1143.52 5617.52,1019.52 5653.04,984 6130.04,984 6177.52,936.52 6177.52,905 ; 5798.52,391 5798.52,397.52 ; 6004,1990 6046,1948 ; 6177,905 6157,885 ; 6220,157.52 6143,234.52 6143,507 6109,541 5659,541 5630,570 5630,727 5643,740 5646,740 6000,740 6118,622 6857,622 6869,610 6869,542 6815,488 6376,488 6335,447 6335,183.52 6309,157.52 ; 6908.52,157.52 6057.52,157.52 5981.52,233.52 5981.52,393 5931.52,443 5844,443 5798.52,397.52 ; 7024,912 6997,885 6157,885 ; 7024.52,912 7024.52,1035.52 7066.52,1077.52 7165.52,1077.52 7165.52,851.28 ; 1143.52,1405.52 920.52,1182.52 514.52,776.52 514.52,497.52 753.52,258.52 2466.52,258.52 2567.52,157.52 5731.52,157.52 5798.52,224.52 5798.52,397.52 ; 1143.52,1405.52 1262.52,1405.52 ; 1143.52,1405.52 1262.52,1405.52 ; 1262.52,1405.52 1828.52,1971.52 ; 1828.52,1971.52 3118.52,1971.52 3157.52,1932.52 ; 3157.52,1932.52 3211.52,1878.52 3846.52,1878.52 3888.52,1920.52 3888.52,1985.52 3854.52,2019.52 3710.52,2019.52 3502.52,2019.52 3489.52,2006.52 3446.52,2006.52 3390.52,2062.52 ; 3157.52,1932.52 3157.52,1631.48 3416.48,1372.52 4723.52,1372.52 4898,1547 4898,1895.04 4898,2310 4989.58,2401.58 5592.42,2401.58 6046,1948 ; 5479,940 5534,885 6152.04,885 6157,885

## Silkscreen, mask and mechanical layers (free items; w line width, h text height)
Top Overlay:
  circle w7: c3330.71,1212.52 r15
  lines w3.94: 4429.5,82.33 4431.46,84.3 ; 4980.54,84.3 4982.5,82.33 ; 4981.52,-152.85 4982.5,-153.83
  text "G" at 6237.52,2412.52 h34
  text "R" at 6337.52,2412.52 h34
  text "T" at 6417.52,2407.52 h34
  text "掉电接口" at 279,2313 h100
  text "G" at 7438,667 h34
  text "D_RX" at 7309,662 h34
  text "D_TX" at 7183,658 h34
  text "R" at 1121,575 h34
  text "T" at 1009,571 h34
  text "G" at 1231,568 h34
  text "RST" at 3012.52,567.52 h34
  text "V" at 3462.52,567.52 h34
  text "CLK" at 3117.52,562.52 h34
  text "IO" at 3247.52,562.52 h34
  text "G" at 3357.52,562.52 h34
  text "计量板接口" at 926.52,383.52 h34
  text "卡接口" at 5049,-116 h100
Bottom Overlay:
  circle w10: c7559.06,0 r118.11
  lines w3.94: 4429.5,82.33 4429.5,-152.85 4982.5,-152.85 4982.5,82.33 ; 4431.46,84.3 4980.54,84.3
  lines w40: 5351.94,2533.21 ccw(c5366.52,2519.52) 5352.22,2533.5
  text "掉电接口" at 172,2339 h100 r90
  text "白" at 6447.52,1807.52 h100
  text "黑" at 6907.52,1797.52 h100
  text "WX0.008.626PCB-4.2" at 7150.52,1090.52 h100
  text "102010403-0187" at 7141.52,1000.52 h100
  text "UWLWn-P28" at 7134.52,910.52 h100
  text "调试口" at 7483,833 h100
  text "2023-11-7" at 7156.52,827.52 h100
  text "V1.1" at 7147.52,741.52 h100
  text "D_TX" at 7282.52,689.52 h60
  text "D_RX" at 7404.52,688.52 h60
  text "G" at 7450.52,687.52 h60
  text "+" at 227.52,662.52 h100
  text "烧录口" at 2981.52,613.52 h100
  text "RST" at 3097.52,567.52 h34
  text "V" at 3482.52,567.52 h34
  text "CLK" at 3217.52,562.52 h34
  text "IO" at 3297.52,562.52 h34
  text "G" at 3387.52,562.52 h34
  text "119接口" at 7277.52,534.52 h100 r90
  text "电源" at 327.52,492.52 h100
  text "R" at 1136,415 h34
  text "T" at 1030,413 h34
  text "G" at 1238,411 h34
  text "485接口" at 6967.52,358.52 h100
  text "-" at 257.52,342.52 h100
  text "外接电源" at 6124.52,295.52 h100
  text "阀门接口" at 570,281 h100
  text "计量板接口" at 1403.52,213.52 h100
  text "卡接口" at 5336,-120 h100
Mechanical 1:
  drawing of 153 lines, arcs and shapes, not listed

## Text inside footprints (layer, text, board x,y; h text height)
B1: Bottom Overlay "+" at 2232.52,447.52 h60
C90: Top Overlay "+" at 139.61,1289.11 h34 r270
C91: Top Overlay "+" at 139.61,1639.11 h34 r270
D2: Mechanical 15 "1" at 6727.29,258.47 h60 r270
D3: Mechanical 15 "1" at 6790.71,360.53 h60 r90
D21: Mechanical 15 "1" at 6961.53,270.29 h60